# Altium PCB cyber60-mx.PcbDoc (part 2 of 4)
Units mm, origin at the board's own origin, x right, y up, seen from the top; angles counter-clockwise.
Board outline 284.73 x 94.2 mm, 2 copper layers (Component Side, Bottom Layer), stack 1.571 mm thick; 250 components, 151 nets, 1030 pads, 543 vias.
Unrouted connection lines stored in the file: 6.
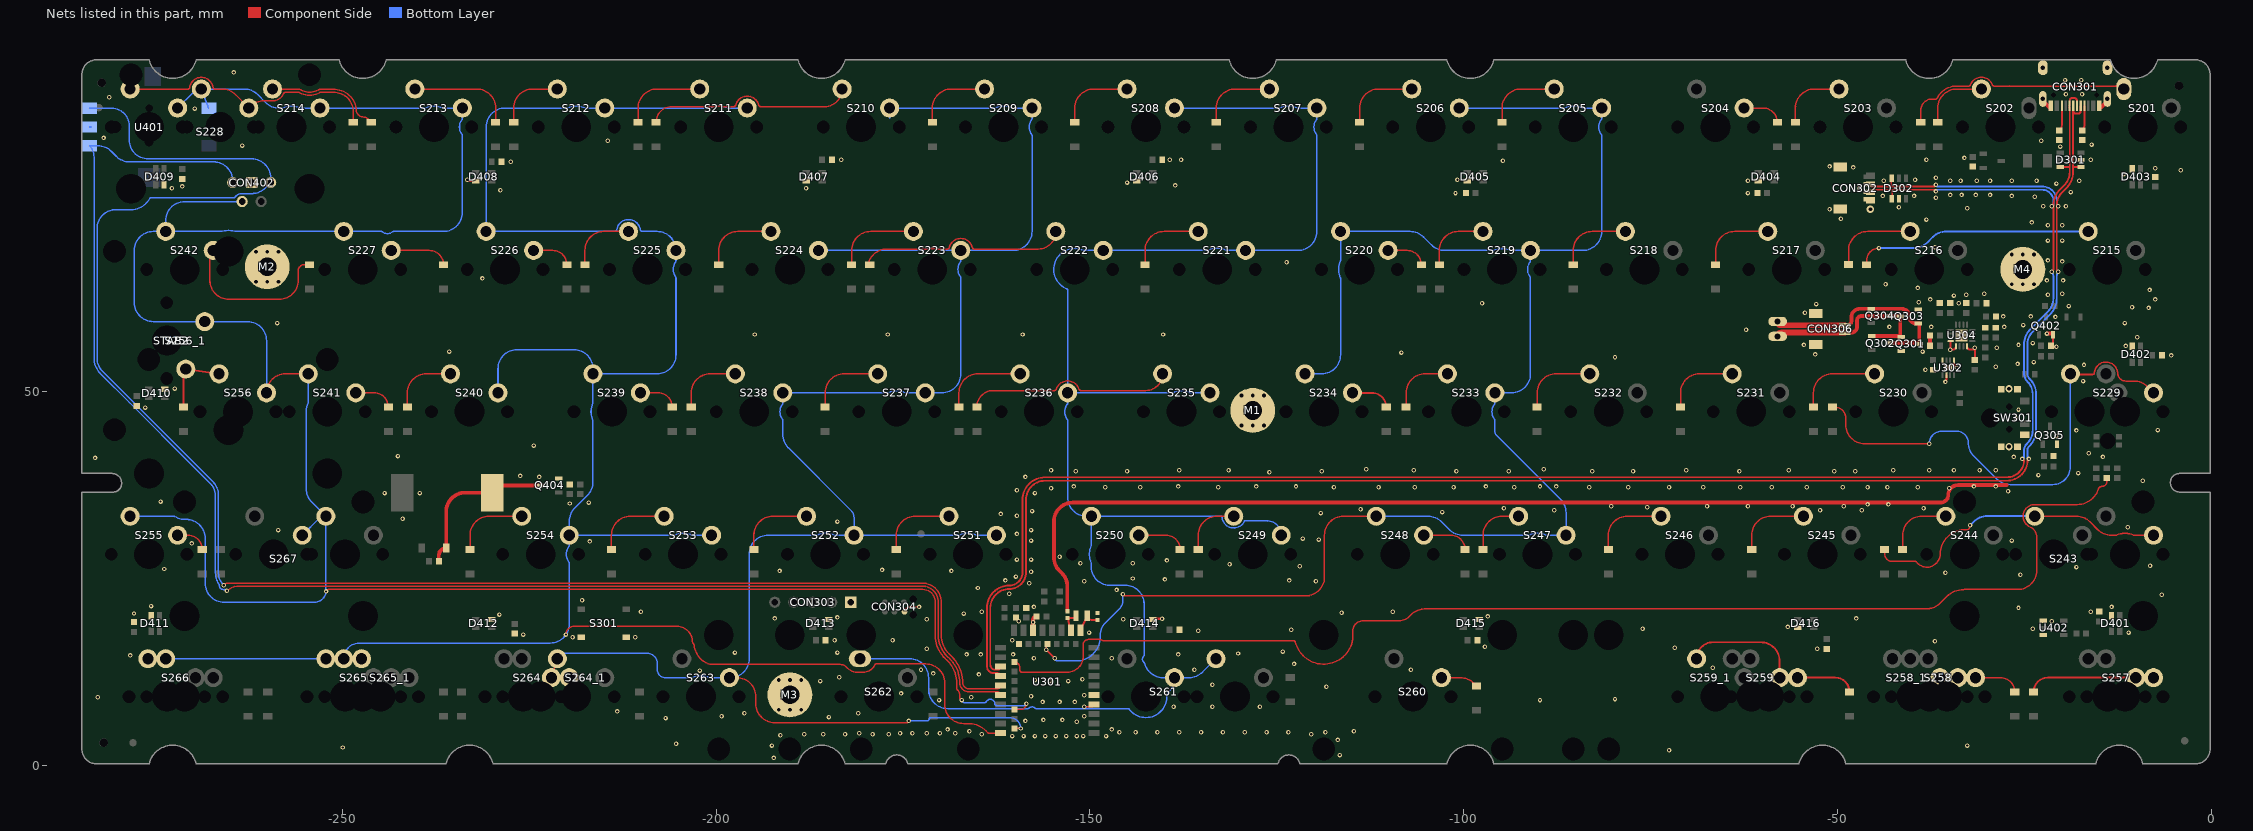
[diagram p2: the nets of this part, all layers, seen from the top]

## Via types
v1: diameter 0.6, hole 0.3, Component Side to Bottom Layer, tented both sides, 532 vias
v2: diameter 1, hole 0.5, Component Side to Bottom Layer, tented both sides, 6 vias
v3: diameter 1.5, hole 0.75, Component Side to Bottom Layer, tented both sides, 5 vias

## Nets (pads, with @x,y where several pads share a name; then routed paths per layer and width w, separated by ;. In a path a pad name is that pad's centre, name@x,y a point inside that pad or via, vN(x,y) a via of type N, cw(c..) or ccw(c..) an arc to the next point about the centre after c; other vN are vias at no path point) (continued)
col3: S205.2 S206.2 S219.2 S220.2 S233.2 S234.2 S247.2 S248.2 U301.18 | length 227.9
  Component Side w0.203: U301.18@-155.702,16.256 ccw(c-155.395,15.949) -155.829,15.949 v1(-155.829,15.494) v1(-154.686,14.351) ; v1(-145.58,22.917) ccw(c-145.351,22.917) -145.351,22.689 -143.764,22.689 -121.158,22.689 ccw(c-121.158,25.229) -118.618,25.229 -118.618,30.805 cw(c-116.078,30.805) -116.078,33.345 S248.2@-111.702,33.345
  Bottom Layer w0.203: v1(-154.686,14.351) ccw(c-154.327,14.351) -154.327,13.992 -151.835,13.992 ccw(c-151.835,17.2) -148.627,17.2 -148.627,17.399 cw(c-146.265,17.399) -147.935,19.07 -146.107,20.898 ccw(c-147.38,22.171) -145.58,22.171 v1(-145.58,22.917) ; S234.2@-121.227,52.395 -119.005,52.395 ccw(c-119.005,54.935) -116.465,54.935 -116.465,65.141 ccw(c-116.668,65.142) -116.483,65.224 cw(c-113.925,66.365) -116.483,67.506 ccw(c-116.668,67.588) -116.465,67.589 S220.2@-116.465,71.445 -107.168,71.445 cw(c-107.168,68.905) -105.372,70.701 -104.32,69.649 ccw(c-102.524,71.445) -102.527,68.905 ccw(c-102.524,71.445) -102.524,68.905 -96.098,68.905 ccw(c-96.098,69.108) -96.016,68.923 cw(c-94.875,66.365) -93.734,68.923 ccw(c-93.652,69.108) -93.652,68.905 S219.2@-91.065,68.905 ; S248.2@-111.702,33.345 -104.755,33.345 cw(c-104.755,30.805) -102.959,32.601 -101.907,31.549 ccw(c-100.111,33.345) -100.111,30.805 -91.336,30.805 ccw(c-91.336,31.008) -91.253,30.823 cw(c-90.112,28.265) -88.972,30.823 ccw(c-88.889,31.008) -88.889,30.805 -86.741,30.805 S247.2@-86.302,30.805 -86.302,33.815 ccw(c-88.842,33.815) -87.046,35.611 -95.607,44.172 cw(c-95.075,44.704) -95.827,44.704 -95.827,46.178 ccw(c-96.031,46.179) -95.87,46.303 cw(c-94.557,47.315) -95.87,48.327 ccw(c-96.031,48.451) -95.827,48.452 S233.2@-95.827,49.855 -93.605,49.855 ccw(c-93.605,52.395) -91.065,52.395 -91.065,65.228 ccw(c-91.268,65.229) -91.107,65.353 cw(c-89.795,66.365) -91.107,67.377 ccw(c-91.268,67.501) -91.065,67.502 S219.2@-91.065,68.905 ; S206.2@-100.59,87.955 -86.573,87.955 ccw(c-86.573,88.158) -86.491,87.973 cw(c-85.35,85.415) -84.209,87.973 ccw(c-84.127,88.158) -84.127,87.955 S205.2@-81.54,87.955 -81.54,86.552 cw(c-81.743,86.551) -81.582,86.427 ccw(c-80.27,85.415) -81.582,84.403 cw(c-81.743,84.279) -81.54,84.278 -81.54,71.445 cw(c-84.08,71.445) -84.08,68.905 S219.2@-91.065,68.905
col4: S207.2 S208.2 S221.2 S222.2 S235.2 S236.2 S249.2 S250.2 S261.1 S262.2 U301.4 | length 246
  Component Side w0.203: v1(-150.749,7.874) -149.714,7.874 ccw(c-149.714,8.136) U301.4@-149.452,8.136 ; S261.1@-138.689,11.755 S261.1@-138.689,12.048
  Bottom Layer w0.203: S262.2@-180.758,14.295 -174.117,14.295 cw(c-174.117,11.755) -171.577,11.755 -171.577,10.16 ccw(c-169.037,10.16) -169.037,7.62 -158.287,7.62 ccw(c-158.288,7.823) -158.148,7.675 cw(c-157.734,7.239) -157.32,7.675 ccw(c-157.18,7.823) -157.181,7.62 -153.924,7.62 -150.749,7.62 -150.07,7.62 -144.906,7.62 cw(c-144.905,7.417) -144.743,7.538 ccw(c-142.499,9.215) -140.256,7.538 ccw(c-142.499,9.215) -140.256,7.54 ccw(c-142.499,9.215) -139.7,9.141 ccw(c-142.499,9.215) -139.699,9.183 cw(c-139.496,9.181) -139.699,9.192 cw(c-138.466,9.141) -139.339,10.013 -139.304,10.048 ccw(c-141.1,11.844) S261.1@-138.815,10.735 ; -153.867,64.255 cw(c-152.025,66.365) -153.259,68.879 cw(c-152.025,66.365) -153.258,68.879 cw(c-152.025,66.365) -150.884,68.923 ccw(c-150.802,69.108) -150.802,68.905 -150.729,68.905 -148.844,68.905 S222.2@-148.215,68.905 ; -153.866,64.255 ccw(c-152.025,66.365) -153.103,63.78 cw(c-153.181,63.593) -152.977,63.592 S236.2@-152.977,49.855 ; S222.2@-147.955,68.905 -134.271,68.905 ccw(c-134.271,69.159) -134.164,68.929 cw(c-132.975,66.365) -131.786,68.929 ccw(c-131.679,69.159) -131.679,68.905 S221.2@-129.165,68.905 -122.18,68.905 ccw(c-122.18,71.445) -119.64,71.445 -119.64,84.278 ccw(c-119.843,84.279) -119.682,84.403 cw(c-118.37,85.415) -119.682,86.427 ccw(c-119.843,86.551) -119.64,86.552 S207.2@-119.64,87.955 ; S208.2@-138.69,87.955 -124.673,87.955 ccw(c-124.673,88.158) -124.591,87.973 cw(c-123.45,85.415) -122.309,87.973 ccw(c-122.227,88.158) -122.227,87.955 S207.2@-120.142,87.955 ; S235.2@-133.927,49.855 -136.514,49.855 cw(c-136.514,50.058) -136.597,49.873 ccw(c-137.737,47.315) -138.878,49.873 cw(c-138.961,50.058) -138.961,49.855 -149.352,49.855 S236.2@-152.977,49.855 ; S261.1@-133.133,14.295 -134.929,12.499 cw(c-136.725,14.295) -136.725,11.755 -138.43,11.755 -138.56,11.885 -138.56,11.844 cw(c-141.1,11.844) S261.1@-138.815,10.735 ; -126.299,32.702 ccw(c-126.443,32.558) -126.443,32.761 ; S249.2@-124.402,30.805 ccw(c-126.359,30.805) -126.359,32.761 -126.443,32.761 ; S236.2@-152.977,49.855 -152.977,48.452 cw(c-153.181,48.451) -153.02,48.327 ccw(c-151.707,47.315) -153.02,46.303 cw(c-153.181,46.179) -152.977,46.178 -152.977,35.885 ccw(c-150.437,35.885) -150.437,33.345 S250.2@-149.802,33.345 ; S250.2@-149.802,33.345 -149.802,29.489 cw(c-150.005,29.488) -149.82,29.406 ccw(c-147.262,28.265) -149.82,27.124 cw(c-150.005,27.042) -149.802,27.041 -149.802,26.543 ccw(c-147.389,26.543) -147.389,24.13 -145.288,24.13 cw(c-145.288,21.59) -142.748,21.59 -142.748,14.777 cw(c-142.951,14.778) -142.803,14.638 ccw(c-142.367,14.224) -142.735,13.748 cw(c-142.858,13.586) -142.662,13.64 ccw(c-140.208,14.295) -140.208,11.755 S261.1@-138.689,11.755 ccw(c-138.387,11.452) -138.815,11.452 S261.1@-138.815,10.735 ; S250.2@-149.802,33.345 -132.514,33.345 cw(c-132.515,33.142) -132.314,33.166 ccw(c-130.752,33.345) -129.343,32.649 cw(c-129.161,32.558) -129.162,32.761 -126.443,32.761
col5: S209.2 S210.2 S223.2 S224.2 S237.2 S238.2 S251.2 S252.2 S263.2 S264.1 S264_1.2 U301.42 | length 258.8
  Component Side w0.203: S264.1@-222.033,11.755 S264_1.2@-221.239,14.295 ; S263.2@-197.604,12.372 S263.2@-198.221,11.755 -197.231,11.755 cw(c-197.231,9.215) -194.691,9.215 -194.691,8.277 ccw(c-192.151,8.277) -192.151,5.737 v1@-174.371,5.737 ; U301.42@-160.102,4.961 -159.258,4.961 v1(-159.258,4.953)
  Bottom Layer w0.203: S264_1.2@-221.239,14.295 cw(c-220.544,14.295) -220.544,14.99 -209.042,14.99 cw(c-209.169,13.715) -207.888,13.715 -207.888,12.862 ccw(c-206.781,12.862) -206.781,11.755 -203.254,11.755 ccw(c-203.254,11.958) -203.172,11.773 cw(c-202.031,9.215) -200.89,11.773 ccw(c-200.808,11.958) -200.808,11.755 S263.2@-198.221,11.755 -198.12,11.755 ccw(c-198.12,14.295) -195.58,14.295 -195.58,28.265 cw(c-193.04,28.265) -193.04,30.805 -188.341,30.805 -186.585,30.805 ccw(c-186.585,31.008) -186.503,30.823 cw(c-185.362,28.265) -184.221,30.823 ccw(c-184.139,31.008) -184.139,30.805 S252.2@-181.552,30.805 ; S224.2@-186.315,68.905 -172.371,68.905 ccw(c-172.371,69.159) -172.264,68.929 cw(c-171.075,66.365) -169.886,68.929 ccw(c-169.779,69.159) -169.779,68.905 S223.2@-167.265,68.905 ; -176.79,86.611 S210.2@-176.79,87.955 -162.773,87.955 ccw(c-162.773,88.158) -162.691,87.973 cw(c-161.55,85.415) -160.409,87.973 ccw(c-160.327,88.158) -160.327,87.955 S209.2@-157.74,87.955 -157.74,86.552 cw(c-157.943,86.551) -157.782,86.427 ccw(c-156.47,85.415) -157.782,84.403 cw(c-157.943,84.279) -157.74,84.278 -157.74,71.445 cw(c-160.28,71.445) -160.28,68.905 S223.2@-167.265,68.905 ; v1(-174.244,5.969) -171.831,5.969 ccw(c-171.831,6.35) -171.45,6.35 cw(c-171.305,6.207) -171.306,6.41 -160.715,6.41 cw(c-160.715,4.953) v1(-159.258,4.953) ; S251.2@-162.502,30.805 -165.089,30.805 cw(c-165.089,31.008) -165.172,30.823 ccw(c-166.312,28.265) -167.453,30.823 cw(c-167.536,31.008) -167.536,30.805 S252.2@-181.552,30.805 ; S252.2@-181.552,30.805 -181.552,33.147 ccw(c-182.945,33.147) -181.96,34.132 -190.334,42.506 cw(c-188.537,44.302) -191.077,44.302 -191.077,46.178 ccw(c-191.281,46.179) -191.12,46.303 cw(c-189.807,47.315) -191.12,48.327 ccw(c-191.281,48.451) -191.077,48.452 S238.2@-191.077,49.855 -177.061,49.855 ccw(c-177.061,50.058) -176.978,49.873 cw(c-175.837,47.315) -174.697,49.873 ccw(c-174.614,50.058) -174.614,49.855 S237.2@-172.027,49.855 -169.805,49.855 ccw(c-169.805,52.395) -167.265,52.395 -167.265,65.228 ccw(c-167.468,65.229) -167.307,65.353 cw(c-165.995,66.365) -167.307,67.377 ccw(c-167.468,67.501) -167.265,67.502 S223.2@-167.265,68.905
col6: S211.2 S212.2 S225.2 S226.2 S239.2 S240.2 S253.2 S254.2 S265.2 S265_1.2 S266.2 U301.43 | length 304.4
  Component Side w0.203: v1(-220.091,17.526) cw(c-218.981,17.526) -218.981,18.636 -205.272,18.636 cw(c-205.272,16.519) -203.165,16.723 cw(c-203.367,16.704) -203.164,16.688 ; -203.167,16.637 ccw(c-202.565,16.637) -203.165,16.593 ; -203.165,16.687 ccw(c-202.565,16.637) -203.165,16.594 ; U301.43@-161.952,4.326 -163.526,4.326 cw(c-163.525,4.529) -163.681,4.398 ccw(c-166.28,2.23) -166.382,5.613 -166.878,5.613 cw(c-166.878,8.153) -169.418,8.153 -169.418,11.052 ccw(c-171.958,11.052) -171.958,13.592 -178.567,13.592 ccw(c-178.566,13.389) -178.747,13.481 cw(c-180.358,14.295) -180.358,12.49 -181.158,12.49 cw(c-181.158,14.295) -182.568,13.169 ccw(c-183.414,12.323) -183.414,13.519 -200.279,13.519 cw(c-200.279,16.059) -202.617,15.066 ccw(c-202.804,14.987) -202.624,15.082 cw(c-200.025,16.462) -202.947,16.107 ccw(c-203.148,16.083) -203.001,16.223 cw(c-202.565,16.637) -203.165,16.593
  Bottom Layer w0.203: S266.2@-273.627,14.295 S265.2@-252.19,14.295 S265.2@-249.809,14.295 cw(c-247.721,14.295) -247.721,16.383 -222.192,16.383 ccw(c-222.192,18.923) -219.652,18.923 -219.652,27.128 ccw(c-219.855,27.129) -219.695,27.253 cw(c-218.382,28.265) -219.695,29.277 ccw(c-219.855,29.401) -219.652,29.402 S254.2@-219.652,30.805 ; S240.2@-229.177,49.855 -229.177,53.086 cw(c-226.637,53.086) -226.637,55.626 -219.017,55.626 cw(c-219.017,53.086) -216.477,53.086 S239.2@-216.477,52.395 ; S253.2@-200.602,30.805 -203.189,30.805 cw(c-203.189,31.008) -203.272,30.823 ccw(c-204.412,28.265) -205.553,30.823 cw(c-205.636,31.008) -205.636,30.805 S254.2@-219.652,30.805 ; S211.2@-195.84,87.955 -198.427,87.955 cw(c-198.427,88.158) -198.509,87.973 ccw(c-199.65,85.415) -200.791,87.973 cw(c-200.873,88.158) -200.873,87.955 -217.477,87.955 cw(c-217.477,88.158) -217.559,87.973 ccw(c-218.7,85.415) -219.841,87.973 cw(c-219.923,88.158) -219.923,87.955 -228.225,87.955 ccw(c-228.225,85.415) -230.765,85.415 S226.2@-230.765,71.445 -213.548,71.445 ccw(c-213.548,71.699) -213.297,71.664 cw(c-211.715,71.445) -210.133,71.664 ccw(c-209.882,71.699) -209.882,71.445 -207.905,71.445 cw(c-207.905,68.905) S225.2@-205.365,68.905 -205.365,67.502 cw(c-205.568,67.501) -205.407,67.377 ccw(c-204.095,66.365) -205.407,65.353 cw(c-205.568,65.229) -205.365,65.228 -205.365,54.935 cw(c-207.905,54.935) -207.905,52.395 S239.2@-216.477,52.395 ; S254.2@-219.652,30.805 -219.652,32.65 cw(c-217.087,32.65) -218.901,34.464 -217.229,36.136 ccw(c-219.043,37.95) -216.477,37.95 -216.477,46.091 ccw(c-216.681,46.092) -216.495,46.174 cw(c-213.937,47.315) -216.495,48.456 ccw(c-216.681,48.538) -216.477,48.539 S239.2@-216.477,52.395
col7: CON401.2 S213.2 S214.2 S227.2 S228.1 S241.2 S242.2 S255.2 S256.2 S256_1.2 S267.2 U301.38 U401.2 | length 337.1
  Component Side w0.203: S256.2@-260.14,49.855 cw(c-257.6,49.855) -257.6,52.395 S241.2@-254.552,52.395 ; v1(-252.17,23.293) -251.863,23.6 -175.133,23.6 -172.607,23.6 cw(c-172.607,21.06) -171.583,23.384 cw(c-171.666,23.199) -171.567,23.376 cw(c-172.419,21.866) -170.685,21.866 -170.685,17.745 cw(c-170.888,17.746) -170.685,17.735 ccw(c-166.28,17.47) -169.109,14.083 cw(c-169.369,13.774) -169.045,14.014 ccw(c-168.882,14.137) -169.027,13.994 cw(c-171.958,11.052) -168.068,12.506 ccw(c-167.878,12.578) -168.054,12.477 cw(c-168.402,12.273) -168.002,12.325 ccw(c-167.801,12.354) -167.995,12.294 cw(c-171.958,11.052) -167.805,11.052 -167.805,10.302 ccw(c-167.602,10.303) -167.737,10.151 cw(c-168.402,9.398) -167.69,10.107 -167.662,10.079 cw(c-167.806,9.935) -167.648,10.063 -167.624,10.033 cw(c-168.402,9.398) -167.409,9.246 -167.409,9.04 ccw(c-167.132,9.04) v1(-167.132,8.763) ; U301.38@-160.102,7.501 -159.25,7.501 ccw(c-159.25,8.255) v1(-158.496,8.255)
  Bottom Layer w0.203: S255.2@-278.39,33.345 -272.524,33.345 cw(c-272.523,33.142) -272.411,33.311 ccw(c-271.118,35.25) -271.27,32.925 -270.891,32.925 cw(c-270.891,30.385) -268.351,30.385 -268.351,24.384 ccw(c-265.811,24.384) -265.811,21.844 -253.706,21.844 ccw(c-253.706,23.355) -252.195,23.355 S267.2@-252.195,33.345 -254.093,35.243 cw(c-252.297,37.039) -254.552,35.87 cw(c-252.297,37.039) -254.837,37.039 -254.837,47.37 cw(c-252.012,47.315) -254.576,48.504 ccw(c-254.806,48.611) -254.552,48.612 S241.2@-254.552,52.395 ; S228.1@-272.034,87.955 -269.943,90.046 cw(c-268.859,88.962) S228.1@-268.859,90.495 ; U401.2@-267.844,87.915 S228.1@-268.859,90.495 ; CON401.2@-263.398,75.438 -271.087,75.438 ccw(c-271.087,72.898) -273.627,72.898 S242.2@-273.627,71.445 ; S256.2@-260.14,49.855 -260.14,56.845 ccw(c-262.68,56.845) -262.68,59.385 S256_1.2@-268.4,59.385 -275.284,59.385 cw(c-275.284,61.925) -277.824,61.925 -277.824,68.905 cw(c-275.284,68.905) -275.284,71.445 S242.2@-273.627,71.445 ; S267.2@-255.37,30.805 -253.061,33.114 cw(c-252.466,32.52) S267.2@-252.466,33.361 ; v1(-167.132,8.763) ccw(c-166.795,8.763) -166.795,8.426 -164.033,8.426 ccw(c-164.034,8.63) -163.855,8.534 cw(c-163.322,8.255) -162.72,8.255 ccw(c-162.489,8.255) -162.489,8.023 -158.728,8.023 ccw(c-158.728,8.255) v1(-158.496,8.255) ; S242.2@-273.627,71.445 -266.126,71.445 ccw(c-266.126,71.648) -266.065,71.454 cw(c-265.225,68.783) -264.385,71.454 ccw(c-264.324,71.648) -264.324,71.445 S227.2@-249.815,71.445 -244.788,71.445 cw(c-244.787,71.242) -244.66,71.4 ccw(c-243.967,72.263) -243.274,71.4 cw(c-243.147,71.242) -243.146,71.445 -236.48,71.445 ccw(c-236.48,73.985) -233.94,73.985 -233.94,84.278 ccw(c-234.143,84.279) -233.982,84.403 cw(c-232.67,85.415) -233.982,86.427 ccw(c-234.143,86.551) -233.94,86.552 S213.2@-233.94,87.955 -236.527,87.955 cw(c-236.527,88.158) -236.609,87.973 ccw(c-237.75,85.415) -238.891,87.973 cw(c-238.973,88.158) -238.973,87.955 S214.2@-252.99,87.955 -255.577,87.955 cw(c-255.577,88.158) -255.659,87.973 ccw(c-256.8,85.415) -257.941,87.973 cw(c-258.023,88.158) -258.023,87.955 -258.48,87.955 cw(c-258.48,90.495) -260.276,88.699 -261.328,89.751 ccw(c-263.124,87.955) -263.124,90.495 S228.1@-268.859,90.495
D_N: CON301.A7 CON301.B7 CON302.2 D301.1 D302.6 U301.29 | length 245
  Component Side w0.254: U301.29@-161.952,13.216 cw(c-162.358,13.216) -162.358,12.81 -162.65,12.81 cw(c-162.65,13.482) -163.322,13.482 -163.322,21.082 cw(c-160.782,21.082) -160.782,23.622 ccw(c-160.782,25.857) -158.547,25.857 -158.547,35.56 cw(c-156.007,35.56) -156.007,38.1 -27.356,38.1 ccw(c-27.356,40.894) v1@-24.562,40.894 ; CON302.2@-45.625,77.75 ccw(c-45.354,77.75) -45.354,77.479 -42.799,77.479 ; D302.6@-42.733,78.591 ccw(c-42.733,78.525) -42.799,78.525 -42.799,77.479 ; v1(-36.83,77.68) cw(c-37.031,77.68) -37.031,77.479 -42.799,77.479 ; v1(-20.447,66.04) -20.447,66.134 -20.663,66.35 -20.663,74.92 cw(c-18.123,74.92) -19.919,76.716 -19.347,77.288 ; -19.215,77.42 -19.347,77.288 ; CON301.A7@-18.471,87.525 -18.471,80.01 ; CON301.A7@-18.427,87.525 ccw(c-18.1,87.525) -18.1,87.198 -17.8,87.198 ccw(c-17.8,87.525) -17.473,87.525 -17.473,88.144 cw(c-17.219,88.144) CON301.B7@-17.45,88.25 ; D301.1@-17.421,80.076 -18.312,80.076 ccw(c-18.312,79.851) -18.471,80.01 ; -19.347,77.288 ccw(c-21.466,79.404) -18.471,79.404 -18.471,80.01
  Bottom Layer w0.254: v1(-36.83,77.68) ccw(c-36.629,77.68) -36.629,77.479 -22.665,77.479 cw(c-22.665,75.438) -20.625,75.438 -20.625,74.981 ccw(c-20.447,74.981) v1(-20.447,74.803) ; v1(-24.384,41.021) cw(c-24.384,41.237) -24.6,41.237 -24.6,42.151 cw(c-23.863,42.151) -24.384,42.672 -24.303,42.753 ccw(c-26.439,44.888) -23.419,44.888 -23.419,49.667 ccw(c-26.277,49.667) -24.256,51.688 -24.257,51.689 cw(c-23.429,52.517) -24.6,52.517 -24.6,56.263 cw(c-22.06,56.263) -23.856,58.059 -21.54,60.375 ccw(c-23.657,62.492) -21.539,60.376 ccw(c-23.657,62.492) -20.663,62.492 -20.663,65.519 cw(c-20.152,65.519) -20.513,65.88 ccw(c-20.673,66.04) v1(-20.447,66.04)
D_P: CON301.A6 CON301.B6 CON302.3 D301.6 D302.1 U301.31 | length 246.5
  Component Side w0.254: U301.31@-161.952,11.946 ccw(c-162.358,11.946) -162.358,12.352 -162.839,12.352 cw(c-162.839,13.293) -163.779,13.293 -163.779,21.082 cw(c-160.782,21.082) -160.782,24.079 ccw(c-160.782,25.857) -159.004,25.857 -159.004,35.56 cw(c-156.007,35.56) -156.007,38.557 -27.356,38.557 ccw(c-27.356,40.894) v1@-25.019,40.894 ; CON302.3@-45.625,76.75 cw(c-45.354,76.75) -45.354,77.021 -42.672,77.021 ; D302.1@-42.733,75.841 ccw(c-42.733,75.902) -42.672,75.902 -42.672,77.021 ; v1(-36.83,76.8) ccw(c-37.051,76.8) -37.051,77.021 -42.672,77.021 ; v1(-21.336,66.04) -21.336,66.134 -21.12,66.35 -21.12,74.922 cw(c-18.126,74.922) -20.245,77.037 cw(c-18.126,74.922) -20.243,77.039 -19.673,77.609 ccw(c-21.469,79.406) -18.929,79.406 -18.929,80.137 ; D301.6@-20.171,80.076 -19.076,80.076 ccw(c-19.076,80.284) -18.929,80.137 ; CON301.B6@-18.95,88 cw(c-19.002,87.948) -18.929,87.948 -18.929,80.137 ; CON301.B6@-18.95,88.25 ccw(c-19.181,88.356) -18.927,88.357 -18.927,88.975 cw(c-18.6,88.975) -18.6,89.302 -18.3,89.302 cw(c-18.3,88.975) -17.973,88.975 -17.973,88.356 ccw(c-17.719,88.356) CON301.A6@-17.95,88.25
  Bottom Layer w0.254: v1(-36.83,76.8) cw(c-36.609,76.8) -36.609,77.021 -22.665,77.021 cw(c-22.665,75.438) -21.082,75.438 -21.082,75.057 cw(c-21.336,75.057) v1(-21.336,74.803) ; v1(-25.273,41.021) ccw(c-25.273,41.237) -25.057,41.237 -25.057,42.153 cw(c-23.869,42.153) -24.709,42.993 -24.627,43.075 ccw(c-26.441,44.889) -23.876,44.889 -23.876,49.665 ccw(c-26.281,49.665) -24.58,51.366 -24.582,51.367 cw(c-23.433,52.515) -25.057,52.515 -25.057,56.264 cw(c-22.063,56.264) -24.18,58.381 -21.864,60.698 ccw(c-23.66,62.494) -21.12,62.494 -21.12,65.519 ccw(c-21.631,65.519) -21.27,65.88 cw(c-21.11,66.04) v1(-21.336,66.04)
ENC_A: CON402.3 U301.35 U401.A | length 203.2
  Component Side w0.203: v1(-265.43,23.368) cw(c-263.897,21.835) -263.898,24.003 ; -263.897,24.003 -263.398,24.003 -175.514,24.003 -172.419,24.003 cw(c-172.419,21.866) -170.282,21.866 -170.282,17.733 cw(c-170.485,17.734) -170.282,17.722 ccw(c-166.28,17.47) -169.909,15.764 ccw(c-166.28,17.47) -168.85,14.392 ; -169.125,14.644 ccw(c-166.28,17.47) -168.852,14.393 cw(c-169.369,13.774) -168.85,14.392 ; U301.35@-161.952,9.406 ccw(c-162.43,9.406) -162.43,9.884 -166.234,9.884 cw(c-166.234,11.052) -167.376,10.805 ccw(c-167.574,10.762) -167.379,10.817 cw(c-166.796,10.984) -167.402,10.98 cw(c-166.999,10.983) -167.402,10.983 cw(c-166.999,10.983) -167.402,11.002 ccw(c-167.605,11.01) -167.401,11.016 cw(c-166.234,11.052) -167.402,11.052 ccw(c-171.958,11.052) -167.602,12.386 cw(c-167.407,12.445) -167.607,12.409 ccw(c-168.402,12.273) -167.691,12.654 cw(c-167.511,12.748) -167.701,12.674 ccw(c-171.958,11.052) -168.724,14.261 cw(c-168.579,14.404) -168.737,14.276 ccw(c-169.369,13.774) -168.85,14.392
  Bottom Layer w0.203: U401.A@-283.843,82.914 cw(c-285.375,81.384) -283.21,81.384 -283.21,55.626 ; U401.A@-283.844,82.915 -282.716,82.915 cw(c-282.716,80.375) -280.92,82.171 -280.24,81.491 ccw(c-278.444,83.287) -278.444,80.747 -267.208,80.747 cw(c-267.208,78.207) -264.668,78.207 CON402.3@-264.668,77.978 ; -283.207,55.626 -283.207,54.494 ccw(c-280.264,54.494) -282.672,52.802 ccw(c-280.264,54.494) -282.346,52.413 -278.489,48.557 -269.913,39.981 -267.604,37.671 cw(c-267.748,37.528) -267.602,37.67 cw(c-269.113,36.159) -267.447,37.497 cw(c-269.077,36.192) -266.989,36.192 cw(c-269.516,35.941) -266.976,35.941 -266.976,25.812 ccw(c-264.193,25.812) -266.511,24.272 cw(c-266.68,24.16) -266.477,24.152 ccw(c-265.876,24.13) -266.476,24.09 ccw(c-265.876,24.13) -265.74,23.544 ccw(c-265.876,24.13) -265.679,23.561
ENC_B: CON402.1 U301.33 U401.B | length 226.6
  Component Side w0.203: v1(-265.876,24.13) cw(c-265.208,23.462) -265.208,24.406 -172.419,24.406 cw(c-172.419,21.866) -169.879,21.866 -169.879,17.72 cw(c-170.082,17.721) -169.879,17.709 ccw(c-166.28,17.47) -169.258,15.435 ccw(c-166.28,17.47) -168.598,14.706 ; -168.776,14.866 ccw(c-166.28,17.47) -168.598,14.706 ; -166.999,10.983 ccw(c-166.796,10.984) -166.986,10.913 ; U301.33@-161.952,10.676 cw(c-162.341,10.676) -162.341,10.287 -166.234,10.287 cw(c-166.234,11.052) -166.986,10.913 ; -168.597,14.706 cw(c-169.369,13.774) -168.595,14.704 cw(c-169.369,13.774) -168.591,14.701 cw(c-169.369,13.774) -168.435,14.543 ccw(c-168.278,14.673) -168.424,14.531 cw(c-171.958,11.052) -167.332,12.84 ccw(c-167.143,12.914) -167.325,12.823 cw(c-168.402,12.273) -167.214,12.5 ccw(c-167.015,12.54) -167.21,12.483 cw(c-171.958,11.052) -166.999,11.052 ccw(c-166.234,11.052) -166.986,10.913
  Bottom Layer w0.203: U401.B@-283.844,87.915 -280.828,87.915 cw(c-280.828,85.598) -278.511,85.598 -278.511,83.69 ccw(c-275.971,83.69) -275.971,81.15 -262.128,81.15 cw(c-262.128,78.61) -259.588,78.61 CON402.1@-259.588,77.978 -260.309,77.257 cw(c-262.105,79.053) -261.521,76.581 cw(c-262.105,79.053) -262.105,76.513 -263.333,76.513 ccw(c-263.406,75.299) -264.436,75.946 -275.608,75.946 ccw(c-275.609,75.743) -275.788,75.839 cw(c-278.257,77.16) -277.675,74.421 cw(c-278.257,77.16) -278.496,74.37 ; -278.497,74.37 ccw(c-278.513,74.167) -278.514,74.371 -280.267,74.371 ccw(c-280.267,71.831) -282.702,72.553 ccw(c-280.267,71.831) -282.807,71.831 -282.807,70.993 -282.804,70.99 -282.804,54.494 ccw(c-280.264,54.494) -282.06,52.698 -267.317,37.955 cw(c-269.113,36.159) -266.573,36.159 -266.573,25.812 ccw(c-264.193,25.812) v1(-265.876,24.13)
GND: C301.1 C302.1 C303.1 C304.1 C305.1 C307.1 C308.1 C309.1 C310.1 C311.1 C312.1 C313.1 C401.1 C402.1 C403.1 C404.1 C405.1 C406.1 C407.1 C408.1 C409.1 C410.1 C411.1 C412.1 C413.1 C414.1 C415.1 C416.1 CON301.A1B12 CON301.B1A12 CON301.S1 CON302.4 CON302.5 CON303.1 CON304.5 CON306.3 CON402.2 D301.2 D302.2 D401.3 D402.3 D403.3 D404.3 D405.3 D406.3 D407.3 D408.3 D409.3 D410.3 D411.3 D412.3 D413.3 D414.3 D415.3 D416.3 M1.1 M2.1 M3.1 M4.1 pad.@-29.575,46.482 Q301.2 Q303.2 Q305.2 Q402.2 Q404.2 R301.2 R302.2 R306.2 R307.2 R308.2 R310.2 R313.2 R315.2 R403.2 R407.2 S301.1 SW301.3 SW301.M U301.5 U301.21 U301.24 U302.1 U302.4 U302.6 U302.9 U304.4 U304.5 U304.8 U304.17 U401.C U402.1 U402.3 | length 164.6